# Altium PCB W5100S-PICO-Mining.PcbDoc (part 2 of 2)
Units mm, origin at the board's own origin, x right, y up, seen from the top; angles counter-clockwise.
Board outline 150 x 180 mm, 4 copper layers (Top Layer, Internal Plane 1, Internal Plane 2, Bottom Layer), stack 0.844 mm thick; 222 components, 173 nets, 802 pads, 558 vias.
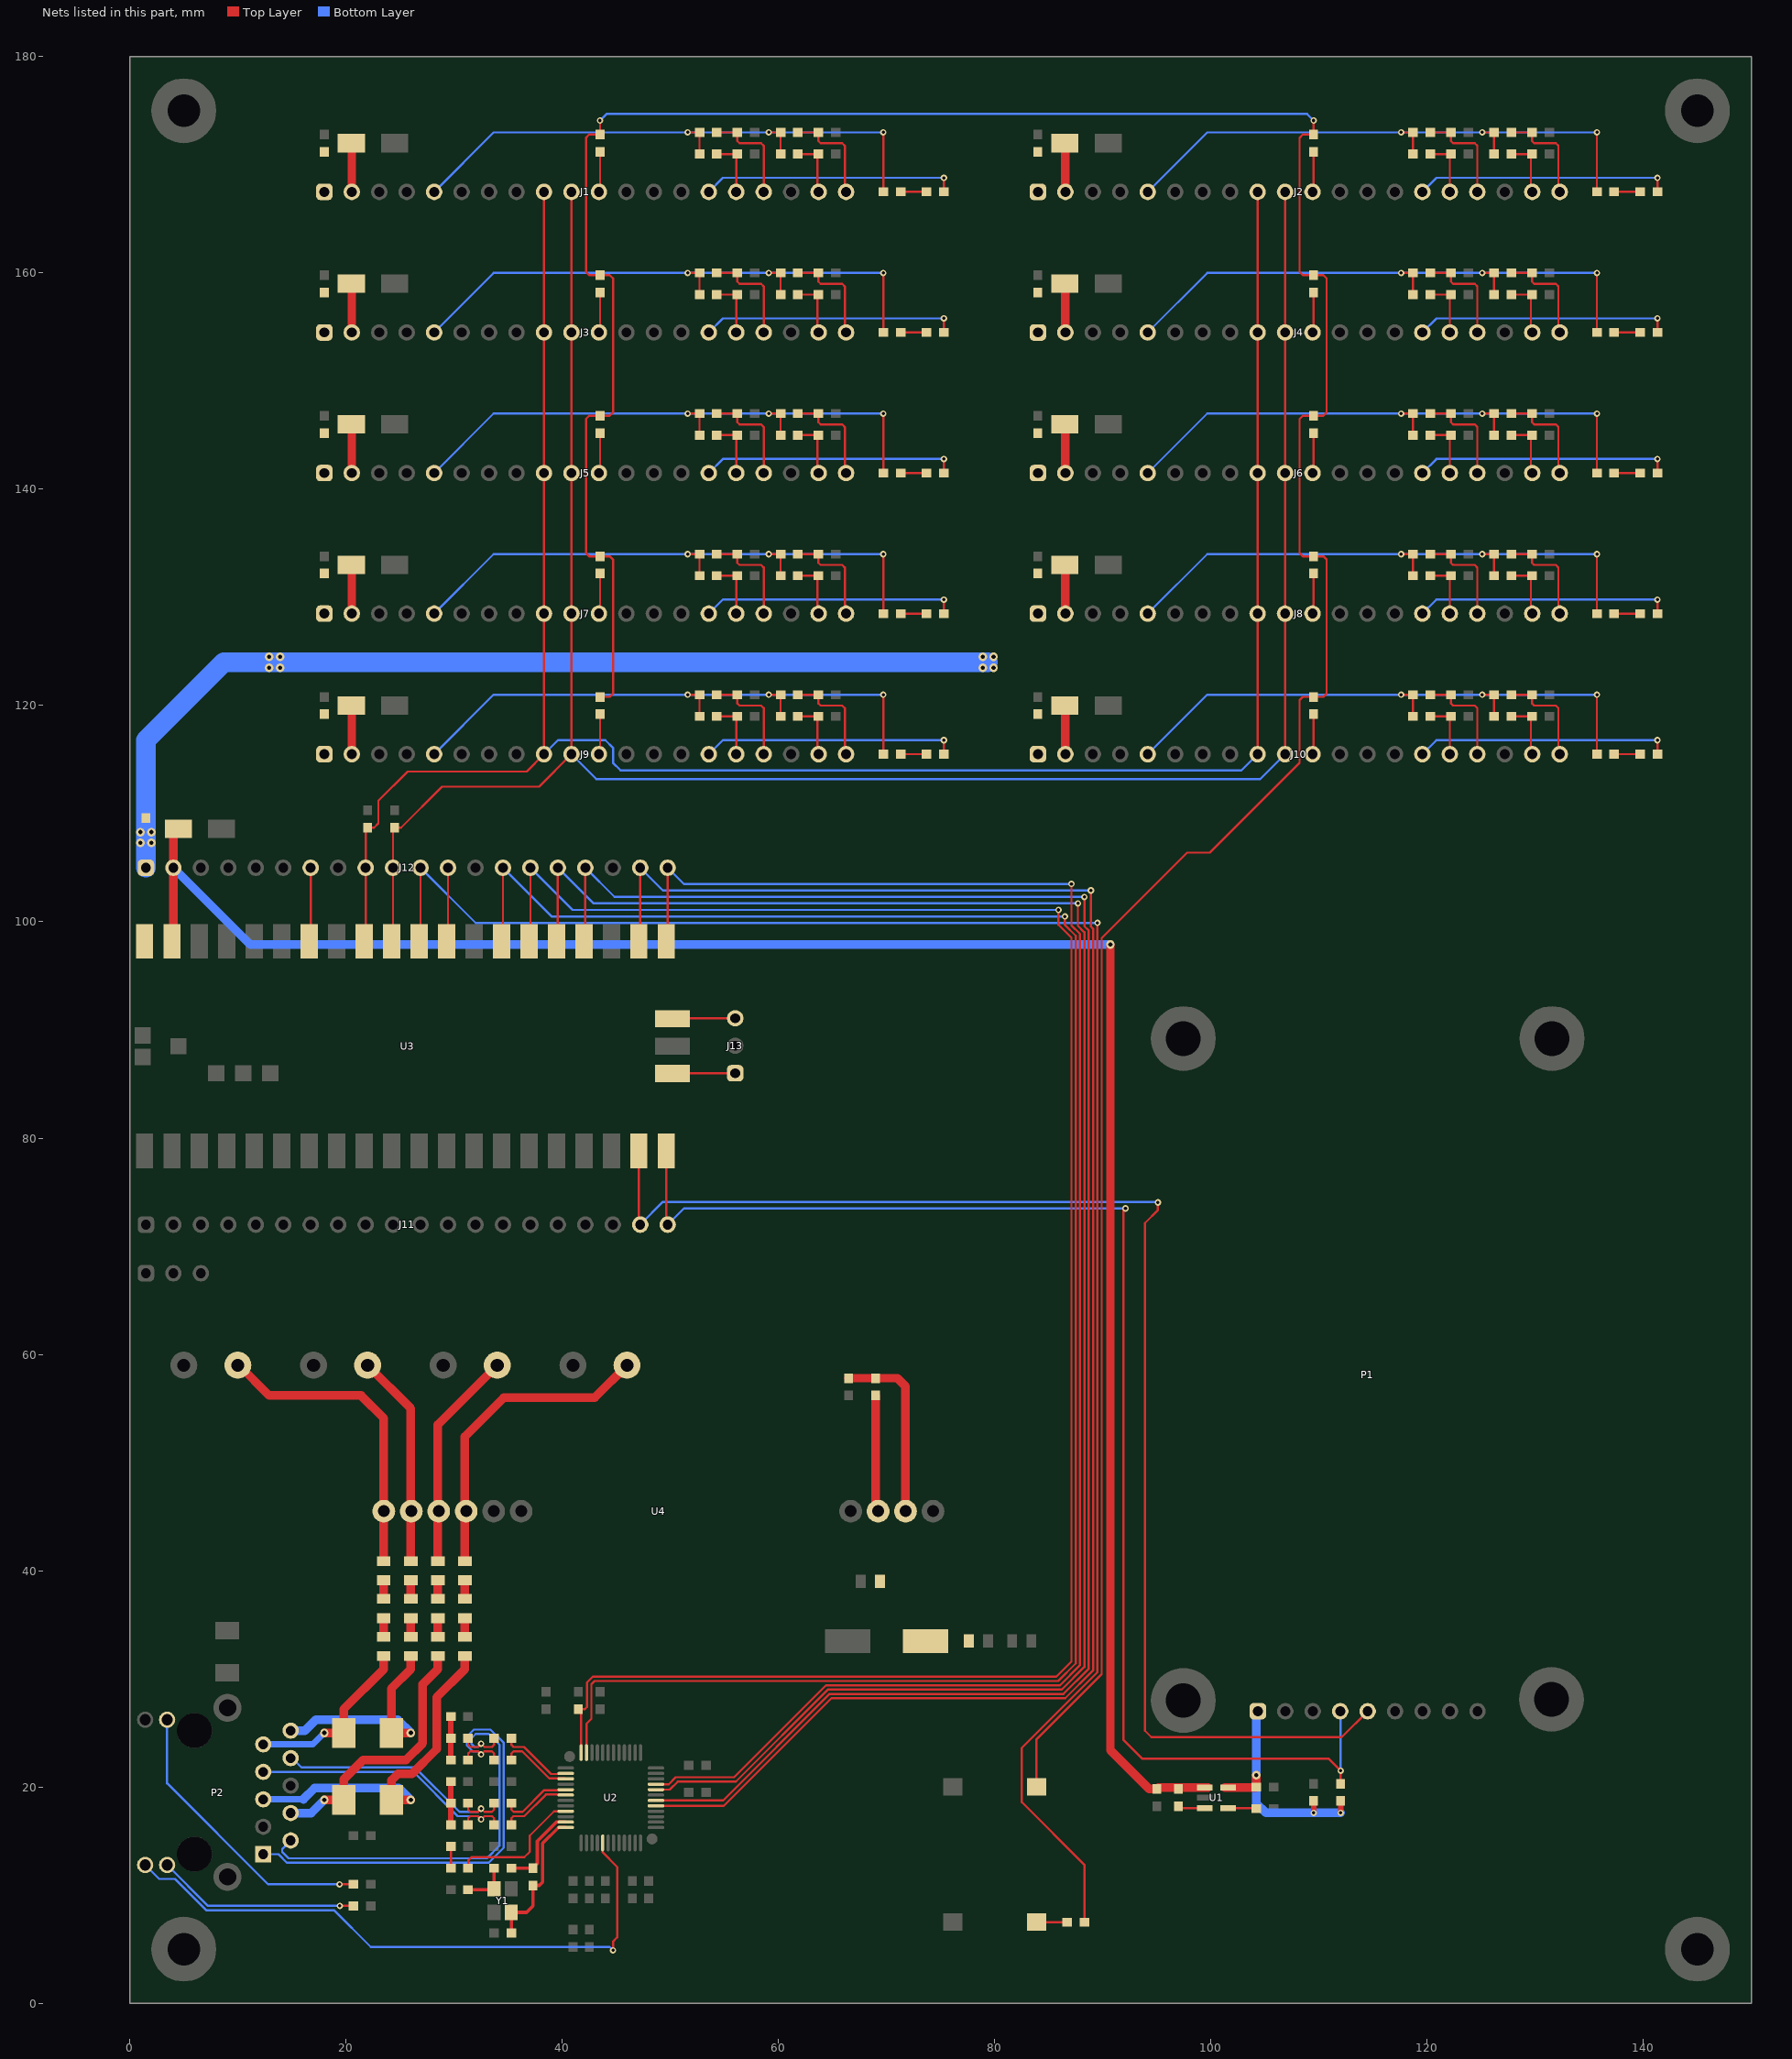
[diagram p4: the nets of this part, all layers, seen from the top]

## Via types
v1: diameter 0.6, hole 0.3, Top Layer to Bottom Layer, tented both sides, 466 vias
v2: diameter 0.8, hole 0.4, Top Layer to Bottom Layer, tented both sides, 92 vias

## Nets (pads, with @x,y where several pads share a name; then routed paths per layer and width w, separated by ;. In a path a pad name is that pad's centre, name@x,y a point inside that pad or via, vN(x,y) a via of type N, cw(c..) or ccw(c..) an arc to the next point about the centre after c; other vN are vias at no path point) (continued)
GPIO14: J11.19 P1.5 U3.19 | length 126.8
  Top Layer w0.2: U3.19@47.09,78.81 47.09,72.13 J11.19@47.22,72 ; v1(95.1,74.051) 95.1,73.337 93.9,72.137 93.9,25.2 94.5,24.6 112.1,24.6 P1.5@114.5,27
  Bottom Layer w0.2: J11.19@47.22,72 49.32,74.1 95.051,74.1 v1(95.1,74.051)
GPIO15: J11.20 P1.4 R92.1 U3.20 | length 127
  Top Layer w0.2: U3.20@49.63,78.81 49.63,72.13 J11.20@49.76,72 ; v1(92.1,73.5) 91.9,73.3 91.9,68.7 91.9,24.372 93.672,22.6 110.9,22.6 v1(112,21.5) R92.1@112,20.3
  Bottom Layer w0.2: J11.20@49.76,72 51.26,73.5 v1(92.1,73.5) ; P1.4@111.96,27 112,26.96 v1(112,21.5)
GPIO16: J12.20 U2.33 U3.21 | length 161.2
  Top Layer w0.2: U2.33@48.675,20.25 49.85,20.25 50.5,20.9 55.903,20.9 64.403,29.4 86.031,29.4 87.9,31.269 87.9,98.869 87.1,99.669 v1(87.1,103.5) ; U3.21@49.63,98.19 49.76,98.32 J12.20@49.76,105
  Bottom Layer w0.2: J12.20@49.76,105 51.26,103.5 v1(87.1,103.5)
GPIO17: J12.19 U2.29 U3.22 | length 167.2
  Top Layer w0.2: U3.22@47.09,98.19 47.22,98.32 J12.19@47.22,105 ; U2.29@48.675,18.25 54.95,18.25 64.9,28.2 86.528,28.2 89.1,30.772 89.1,99.366 88.9,99.566 v1(88.9,102.9)
  Bottom Layer w0.2: J12.19@47.22,105 49.32,102.9 v1(88.9,102.9)
GPIO18: J12.17 U2.30 U3.24 | length 170.7
  Top Layer w0.2: U3.24@42.01,98.19 42.14,98.32 J12.17@42.14,105 ; U2.30@48.675,18.75 54.884,18.75 64.734,28.6 86.363,28.6 88.7,30.937 88.7,99.2 88.3,99.6 v1(88.3,102.3)
  Bottom Layer w0.2: J12.17@42.14,105 44.84,102.3 v1(88.3,102.3)
GPIO19: J12.16 U2.32 U3.25 | length 171.5
  Top Layer w0.2: U3.25@39.47,98.19 39.6,98.32 J12.16@39.6,105 ; U2.32@48.675,19.75 49.95,19.75 50.7,20.5 56.069,20.5 64.569,29 86.197,29 88.3,31.103 88.3,99.034 87.7,99.634 v1(87.7,101.7)
  Bottom Layer w0.2: J12.16@39.6,105 42.9,101.7 v1(87.7,101.7)
GPIO20: J12.15 R114.2 U2.48 U3.26 | length 180.2
  Top Layer w0.2: U3.26@36.93,98.19 37.06,98.32 J12.15@37.06,105 ; U2.48@41.75,23.175 41.75,26.95 R114.2@41.5,27.2 42.1,27.2 42.3,27.4 42.3,29.666 42.834,30.2 85.7,30.2 87.1,31.6 87.1,98.537 85.9,99.737 v1(85.9,101.1)
  Bottom Layer w0.2: J12.15@37.06,105 40.96,101.1 v1(85.9,101.1)
GPIO21: J12.14 U2.47 U3.27 | length 182.3
  Top Layer w0.2: U3.27@34.39,98.19 34.52,98.32 J12.14@34.52,105 ; U2.47@42.25,23.175 42.25,25.85 42.7,26.3 42.7,29.5 43,29.8 85.866,29.8 87.5,31.434 87.5,98.703 86.5,99.703 v1(86.5,100.5)
  Bottom Layer w0.2: J12.14@34.52,105 39.02,100.5 v1(86.5,100.5)
GPIO22: J12.12 U3.29 | length 6.9
  Top Layer w0.2: U3.29@29.31,98.19 29.44,98.32 J12.12@29.44,105
GPIO26/ADC0: J1.10 J2.10 J3.10 J4.10 J5.10 J6.10 J7.10 J8.10 J9.10 J10.10 J12.10 R133.1 U3.31 | length 201.7
  Top Layer w0.2: U3.31@24.23,98.19 24.36,98.32 J12.10@24.36,105 24.36,108.56 R133.1@24.5,108.7 25.1,108.7 28.9,112.5 37.86,112.5 J9.10@40.86,115.5 J7.10@40.86,128.5 J5.10@40.86,141.5 J3.10@40.86,154.5 J1.10@40.86,167.5 ; J10.10@106.86,115.5 J8.10@106.86,128.5 J6.10@106.86,141.5 J4.10@106.86,154.5 J2.10@106.86,167.5
  Bottom Layer w0.2: J9.10@40.86,115.5 43.16,113.2 104.56,113.2 J10.10@106.86,115.5
GPIO27/ADC1: J1.9 J2.9 J3.9 J4.9 J5.9 J6.9 J7.9 J8.9 J9.9 J10.9 J12.9 R132.1 U3.32 | length 204.1
  Top Layer w0.2: U3.32@21.69,98.19 21.82,98.32 J12.9@21.82,105 21.82,108.52 R132.1@22,108.7 22.6,108.7 23,109.1 23,111.2 25.7,113.9 36.72,113.9 J9.9@38.32,115.5 J7.9@38.32,128.5 J5.9@38.32,141.5 J3.9@38.32,154.5 J1.9@38.32,167.5 ; J10.9@104.32,115.5 J8.9@104.32,128.5 J6.9@104.32,141.5 J4.9@104.32,154.5 J2.9@104.32,167.5
  Bottom Layer w0.2: J9.9@38.32,115.5 39.62,116.8 44,116.8 44.7,116.1 44.7,114.7 45.4,114 102.82,114 J10.9@104.32,115.5
GPIO28/ADC2: J12.7 U3.34 | length 6.9
  Top Layer w0.2: U3.34@16.61,98.19 16.74,98.32 J12.7@16.74,105
LCD_3V3: C2.2 P1.1 R91.2 R92.2 U1.5 | length 23
  Top Layer w0.5: v1(109.5,17.6) R91.2@109.5,18.7 ; v1(112,17.6) R92.2@112,18.7
  Top Layer w0.8: U1.5@101.275,19.95 104.15,19.95 C2.2@104.2,20 v2(104.2,21.1)
  Bottom Layer w0.8: P1.1@104.34,27 104.2,26.86 104.2,21.6 104.2,18.5 105.1,17.6 v1(109.5,17.6) v1(112,17.6)
LINKn: P2.P14 U2.17 | length 57.2
  Top Layer w0.2: U2.17@43.75,14.825 43.75,13.95 45.1,12.6 45.1,6.1 44.7,5.7 v1(44.7,4.9)
  Bottom Layer w0.2: P2.P14@1.43,12.785 2.725,11.49 4.19,11.49 7.079,8.6 18.9,8.6 22.3,5.2 44.4,5.2 v1(44.7,4.9)
NetC3_2: C3.2 U1.4 | length 2.6
  Top Layer w0.2: U1.4@101.575,18.05 104.15,18.05 C3.2@104.2,18
NetC5_2: C5.2 R121.1 R122.1 | length 4
  Top Layer w0.5: R121.1@29.7,16.5 R122.1@29.7,18.5 C5.2@29.7,20.5
NetC6_2: C6.2 R123.1 R124.1 | length 4
  Top Layer w0.5: R123.1@29.7,22.5 R124.1@29.7,24.5 C6.2@29.7,26.5
NetC8_1: C8.1 C9.2 L4.1 R129.1 U4.8 | length 10.8
  Top Layer w0.8: R129.1@69,56.2 69,45.72 U4.8@69.22,45.5
NetC11_2: C11.2 L3.2 U4.1 | length 28.7
  Top Layer w0.8: C11.2@10.05,59.05 12.9,56.2 21.4,56.2 23.5,54.1 U4.1@23.5,45.5 L3.2@23.5,40.889
NetC12_2: C12.2 L7.2 U4.2 | length 19.8
  Top Layer w0.8: C12.2@22,59 26,55 26,45.5 L7.2@26,40.889
NetC13_2: C13.2 L10.2 U4.3 | length 20.4
  Top Layer w0.8: L10.2@28.5,40.889 28.5,53.5 C13.2@34,59
NetC14_2: C14.2 L13.2 U4.4 | length 29.2
  Top Layer w0.8: L13.2@31,40.889 31,45.5 31,52.4 34.6,56 43,56 C14.2@46,59
NetC15_2: C15.2 R131.1 Y1.1 | length 4.3
  Top Layer w0.3: C15.2@31.3,10.5 33.6,10.5 Y1.1@33.7,10.6 R131.1@33.7,12.5
NetD1_2: D1.2 J1.2 | length 4.5
  Top Layer w0.8: D1.2@20.5,172 20.54,171.96 J1.2@20.54,167.5
NetD2_2: D2.2 J2.2 | length 4.5
  Top Layer w0.8: D2.2@86.5,172 86.54,171.96 J2.2@86.54,167.5
NetD3_2: D3.2 J3.2 | length 4.5
  Top Layer w0.8: D3.2@20.5,159 20.54,158.96 J3.2@20.54,154.5
NetD4_2: D4.2 J4.2 | length 4.5
  Top Layer w0.8: D4.2@86.5,159 86.54,158.96 J4.2@86.54,154.5
NetD5_2: D5.2 J5.2 | length 4.5
  Top Layer w0.8: D5.2@20.5,146 20.54,145.96 J5.2@20.54,141.5
NetD6_2: D6.2 J6.2 | length 4.5
  Top Layer w0.8: D6.2@86.5,146 86.54,145.96 J6.2@86.54,141.5
NetD7_2: D7.2 J7.2 | length 4.5
  Top Layer w0.8: D7.2@20.5,133 20.54,132.96 J7.2@20.54,128.5
NetD8_2: D8.2 J8.2 | length 4.5
  Top Layer w0.8: D8.2@86.5,133 86.54,132.96 J8.2@86.54,128.5
NetD9_2: D9.2 J9.2 | length 4.5
  Top Layer w0.8: D9.2@20.5,120 20.54,119.96 J9.2@20.54,115.5
NetD10_2: D10.2 J10.2 | length 4.5
  Top Layer w0.8: D10.2@86.5,120 86.54,119.96 J10.2@86.54,115.5
NetJ1_5: J1.5 LD1.1 R10.2 R11.2 R12.2 R13.2 | length 55.5
  Top Layer w0.2: v1(51.6,173) R12.2@52.7,173 R13.2@52.7,171 ; v1(59.1,173) R10.2@60.2,173 R11.2@60.2,171 ; LD1.1@69.7,167.5 v1(69.7,173)
  Bottom Layer w0.2: J1.5@28.16,167.5 33.66,173 v1(51.6,173) v1(69.7,173)
NetJ1_11: J1.11 R5.2 | length 3.7
  Top Layer w0.2: J1.11@43.4,167.5 43.5,167.6 R5.2@43.5,171.2
NetJ1_15: J1.15 R9.2 | length 23.6
  Top Layer w0.2: R9.2@75.3,167.5 v1(75.3,168.8)
  Bottom Layer w0.2: J1.15@53.56,167.5 54.86,168.8 v1(75.3,168.8)
NetJ1_16: J1.16 R13.1 R32.2 | length 5.4
  Top Layer w0.2: R13.1@54.3,171 R32.2@56.2,171 56.1,170.9 J1.16@56.1,167.5
NetJ1_17: J1.17 R12.1 R31.2 | length 9.6
  Top Layer w0.2: R12.1@54.3,173 R31.2@56.2,173 56.2,172.2 56.4,172 58.4,172 58.64,171.76 J1.17@58.64,167.5
NetJ1_19: J1.19 R11.1 R30.2 | length 5.4
  Top Layer w0.2: R11.1@61.8,171 R30.2@63.7,171 63.6,170.9 J1.19@63.6,167.5
NetJ1_20: J1.20 R10.1 R29.2 | length 9.6
  Top Layer w0.2: R10.1@61.8,173 R29.2@63.7,173 63.7,172.2 63.9,172 65.9,172 66.14,171.76 J1.20@66.14,167.5
NetJ2_5: J2.5 LD2.1 R15.2 R16.2 R17.2 R18.2 | length 55.5
  Top Layer w0.2: v1(117.6,173) R17.2@118.7,173 R18.2@118.7,171 ; v1(125.1,173) R15.2@126.2,173 R16.2@126.2,171 ; LD2.1@135.7,167.5 v1(135.7,173)
  Bottom Layer w0.2: J2.5@94.16,167.5 99.66,173 v1(117.6,173) v1(135.7,173)
NetJ2_11: J2.11 R6.2 | length 3.7
  Top Layer w0.2: J2.11@109.4,167.5 109.5,167.6 R6.2@109.5,171.2
NetJ2_15: J2.15 R14.2 | length 23.6
  Top Layer w0.2: R14.2@141.3,167.5 v1(141.3,168.8)
  Bottom Layer w0.2: J2.15@119.56,167.5 120.86,168.8 v1(141.3,168.8)
NetJ2_16: J2.16 R18.1 R36.2 | length 5.4
  Top Layer w0.2: R18.1@120.3,171 R36.2@122.2,171 122.1,170.9 J2.16@122.1,167.5
NetJ2_17: J2.17 R17.1 R35.2 | length 9.6
  Top Layer w0.2: R17.1@120.3,173 R35.2@122.2,173 122.2,172.2 122.4,172 124.4,172 124.64,171.76 J2.17@124.64,167.5
NetJ2_19: J2.19 R16.1 R34.2 | length 5.4
  Top Layer w0.2: R16.1@127.8,171 R34.2@129.7,171 129.6,170.9 J2.19@129.6,167.5
NetJ2_20: J2.20 R15.1 R33.2 | length 9.6
  Top Layer w0.2: R15.1@127.8,173 R33.2@129.7,173 129.7,172.2 129.9,172 131.9,172 132.14,171.76 J2.20@132.14,167.5
NetJ3_5: J3.5 LD3.1 R20.2 R21.2 R22.2 R23.2 | length 55.5
  Top Layer w0.2: v1(51.6,160) R22.2@52.7,160 R23.2@52.7,158 ; v1(59.1,160) R20.2@60.2,160 R21.2@60.2,158 ; LD3.1@69.7,154.5 v1(69.7,160)
  Bottom Layer w0.2: J3.5@28.16,154.5 33.66,160 v1(51.6,160) v1(69.7,160)
NetJ3_11: J3.11 R7.2 | length 3.7
  Top Layer w0.2: J3.11@43.4,154.5 43.5,154.6 R7.2@43.5,158.2
NetJ3_15: J3.15 R19.2 | length 23.6
  Top Layer w0.2: R19.2@75.3,154.5 v1(75.3,155.8)
  Bottom Layer w0.2: J3.15@53.56,154.5 54.86,155.8 v1(75.3,155.8)
NetJ3_16: J3.16 R23.1 R40.2 | length 5.4
  Top Layer w0.2: R23.1@54.3,158 R40.2@56.2,158 56.1,157.9 J3.16@56.1,154.5
NetJ3_17: J3.17 R22.1 R39.2 | length 9.6
  Top Layer w0.2: R22.1@54.3,160 R39.2@56.2,160 56.2,159.2 56.4,159 58.4,159 58.64,158.76 J3.17@58.64,154.5
NetJ3_19: J3.19 R21.1 R38.2 | length 5.4
  Top Layer w0.2: R21.1@61.8,158 R38.2@63.7,158 63.6,157.9 J3.19@63.6,154.5
NetJ3_20: J3.20 R20.1 R37.2 | length 9.6
  Top Layer w0.2: R20.1@61.8,160 R37.2@63.7,160 63.7,159.2 63.9,159 65.9,159 66.14,158.76 J3.20@66.14,154.5
NetJ4_5: J4.5 LD4.1 R25.2 R26.2 R27.2 R28.2 | length 55.5
  Top Layer w0.2: v1(117.6,160) R27.2@118.7,160 R28.2@118.7,158 ; v1(125.1,160) R25.2@126.2,160 R26.2@126.2,158 ; LD4.1@135.7,154.5 v1(135.7,160)
  Bottom Layer w0.2: J4.5@94.16,154.5 99.66,160 v1(117.6,160) v1(135.7,160)
NetJ4_11: J4.11 R8.2 | length 3.7
  Top Layer w0.2: J4.11@109.4,154.5 109.5,154.6 R8.2@109.5,158.2
NetJ4_15: J4.15 R24.2 | length 23.6
  Top Layer w0.2: R24.2@141.3,154.5 v1(141.3,155.8)
  Bottom Layer w0.2: J4.15@119.56,154.5 120.86,155.8 v1(141.3,155.8)
NetJ4_16: J4.16 R28.1 R44.2 | length 5.4
  Top Layer w0.2: R28.1@120.3,158 R44.2@122.2,158 122.1,157.9 J4.16@122.1,154.5
NetJ4_17: J4.17 R27.1 R43.2 | length 9.6
  Top Layer w0.2: R27.1@120.3,160 R43.2@122.2,160 122.2,159.2 122.4,159 124.4,159 124.64,158.76 J4.17@124.64,154.5
NetJ4_19: J4.19 R26.1 R42.2 | length 5.4
  Top Layer w0.2: R26.1@127.8,158 R42.2@129.7,158 129.6,157.9 J4.19@129.6,154.5
NetJ4_20: J4.20 R25.1 R41.2 | length 9.6
  Top Layer w0.2: R25.1@127.8,160 R41.2@129.7,160 129.7,159.2 129.9,159 131.9,159 132.14,158.76 J4.20@132.14,154.5
NetJ5_5: J5.5 LD5.1 R54.2 R55.2 R56.2 R57.2 | length 55.5
  Top Layer w0.2: v1(51.6,147) R56.2@52.7,147 R57.2@52.7,145 ; v1(59.1,147) R54.2@60.2,147 R55.2@60.2,145 ; LD5.1@69.7,141.5 v1(69.7,147)
  Bottom Layer w0.2: J5.5@28.16,141.5 33.66,147 v1(51.6,147) v1(69.7,147)
NetJ5_11: J5.11 R49.2 | length 3.7
  Top Layer w0.2: J5.11@43.4,141.5 43.5,141.6 R49.2@43.5,145.2
NetJ5_15: J5.15 R53.2 | length 23.6
  Top Layer w0.2: R53.2@75.3,141.5 v1(75.3,142.8)
  Bottom Layer w0.2: J5.15@53.56,141.5 54.86,142.8 v1(75.3,142.8)
NetJ5_16: J5.16 R57.1 R76.2 | length 5.4
  Top Layer w0.2: R57.1@54.3,145 R76.2@56.2,145 56.1,144.9 J5.16@56.1,141.5
NetJ5_17: J5.17 R56.1 R75.2 | length 9.6
  Top Layer w0.2: R56.1@54.3,147 R75.2@56.2,147 56.2,146.2 56.4,146 58.4,146 58.64,145.76 J5.17@58.64,141.5
NetJ5_19: J5.19 R55.1 R74.2 | length 5.4
  Top Layer w0.2: R55.1@61.8,145 R74.2@63.7,145 63.6,144.9 J5.19@63.6,141.5
NetJ5_20: J5.20 R54.1 R73.2 | length 9.6
  Top Layer w0.2: R54.1@61.8,147 R73.2@63.7,147 63.7,146.2 63.9,146 65.9,146 66.14,145.76 J5.20@66.14,141.5
NetJ6_5: J6.5 LD6.1 R59.2 R60.2 R61.2 R62.2 | length 55.5
  Top Layer w0.2: v1(117.6,147) R61.2@118.7,147 R62.2@118.7,145 ; v1(125.1,147) R59.2@126.2,147 R60.2@126.2,145 ; LD6.1@135.7,141.5 v1(135.7,147)
  Bottom Layer w0.2: J6.5@94.16,141.5 99.66,147 v1(117.6,147) v1(135.7,147)
NetJ6_11: J6.11 R50.2 | length 3.7
  Top Layer w0.2: J6.11@109.4,141.5 109.5,141.6 R50.2@109.5,145.2
NetJ6_15: J6.15 R58.2 | length 23.6
  Top Layer w0.2: R58.2@141.3,141.5 v1(141.3,142.8)
  Bottom Layer w0.2: J6.15@119.56,141.5 120.86,142.8 v1(141.3,142.8)
NetJ6_16: J6.16 R62.1 R80.2 | length 5.4
  Top Layer w0.2: R62.1@120.3,145 R80.2@122.2,145 122.1,144.9 J6.16@122.1,141.5
NetJ6_17: J6.17 R61.1 R79.2 | length 9.6
  Top Layer w0.2: R61.1@120.3,147 R79.2@122.2,147 122.2,146.2 122.4,146 124.4,146 124.64,145.76 J6.17@124.64,141.5
NetJ6_19: J6.19 R60.1 R78.2 | length 5.4
  Top Layer w0.2: R60.1@127.8,145 R78.2@129.7,145 129.6,144.9 J6.19@129.6,141.5
NetJ6_20: J6.20 R59.1 R77.2 | length 9.6
  Top Layer w0.2: R59.1@127.8,147 R77.2@129.7,147 129.7,146.2 129.9,146 131.9,146 132.14,145.76 J6.20@132.14,141.5
NetJ7_5: J7.5 LD7.1 R64.2 R65.2 R66.2 R67.2 | length 55.5
  Top Layer w0.2: v1(51.6,134) R66.2@52.7,134 R67.2@52.7,132 ; v1(59.1,134) R64.2@60.2,134 R65.2@60.2,132 ; LD7.1@69.7,128.5 v1(69.7,134)
  Bottom Layer w0.2: J7.5@28.16,128.5 33.66,134 v1(51.6,134) v1(69.7,134)
NetJ7_11: J7.11 R51.2 | length 3.7
  Top Layer w0.2: J7.11@43.4,128.5 43.5,128.6 R51.2@43.5,132.2
NetJ7_15: J7.15 R63.2 | length 23.6
  Top Layer w0.2: R63.2@75.3,128.5 v1(75.3,129.8)
  Bottom Layer w0.2: J7.15@53.56,128.5 54.86,129.8 v1(75.3,129.8)
NetJ7_16: J7.16 R67.1 R84.2 | length 5.4
  Top Layer w0.2: R67.1@54.3,132 R84.2@56.2,132 56.1,131.9 J7.16@56.1,128.5
NetJ7_17: J7.17 R66.1 R83.2 | length 9.6
  Top Layer w0.2: R66.1@54.3,134 R83.2@56.2,134 56.2,133.2 56.4,133 58.4,133 58.64,132.76 J7.17@58.64,128.5
NetJ7_19: J7.19 R65.1 R82.2 | length 5.4
  Top Layer w0.2: R65.1@61.8,132 R82.2@63.7,132 63.6,131.9 J7.19@63.6,128.5
NetJ7_20: J7.20 R64.1 R81.2 | length 9.6
  Top Layer w0.2: R64.1@61.8,134 R81.2@63.7,134 63.7,133.2 63.9,133 65.9,133 66.14,132.76 J7.20@66.14,128.5
NetJ8_5: J8.5 LD8.1 R69.2 R70.2 R71.2 R72.2 | length 55.5
  Top Layer w0.2: v1(117.6,134) R71.2@118.7,134 R72.2@118.7,132 ; v1(125.1,134) R69.2@126.2,134 R70.2@126.2,132 ; LD8.1@135.7,128.5 v1(135.7,134)
  Bottom Layer w0.2: J8.5@94.16,128.5 99.66,134 v1(117.6,134) v1(135.7,134)
NetJ8_11: J8.11 R52.2 | length 3.7
  Top Layer w0.2: J8.11@109.4,128.5 109.5,128.6 R52.2@109.5,132.2
NetJ8_15: J8.15 R68.2 | length 23.6
  Top Layer w0.2: R68.2@141.3,128.5 v1(141.3,129.8)
  Bottom Layer w0.2: J8.15@119.56,128.5 120.86,129.8 v1(141.3,129.8)
NetJ8_16: J8.16 R72.1 R88.2 | length 5.4
  Top Layer w0.2: R72.1@120.3,132 R88.2@122.2,132 122.1,131.9 J8.16@122.1,128.5
NetJ8_17: J8.17 R71.1 R87.2 | length 9.6
  Top Layer w0.2: R71.1@120.3,134 R87.2@122.2,134 122.2,133.2 122.4,133 124.4,133 124.64,132.76 J8.17@124.64,128.5
NetJ8_19: J8.19 R70.1 R86.2 | length 5.4
  Top Layer w0.2: R70.1@127.8,132 R86.2@129.7,132 129.6,131.9 J8.19@129.6,128.5
NetJ8_20: J8.20 R69.1 R85.2 | length 9.6
  Top Layer w0.2: R69.1@127.8,134 R85.2@129.7,134 129.7,133.2 129.9,133 131.9,133 132.14,132.76 J8.20@132.14,128.5
NetJ9_5: J9.5 LD9.1 R97.2 R98.2 R99.2 R100.2 | length 55.5
  Top Layer w0.2: v1(51.6,121) R99.2@52.7,121 R100.2@52.7,119 ; v1(59.1,121) R97.2@60.2,121 R98.2@60.2,119 ; LD9.1@69.7,115.5 v1(69.7,121)
  Bottom Layer w0.2: J9.5@28.16,115.5 33.66,121 v1(51.6,121) v1(69.7,121)
NetJ9_11: J9.11 R94.2 | length 3.7
  Top Layer w0.2: J9.11@43.4,115.5 43.5,115.6 R94.2@43.5,119.2
NetJ9_15: J9.15 R96.2 | length 23.6
  Top Layer w0.2: R96.2@75.3,115.5 v1(75.3,116.8)
  Bottom Layer w0.2: J9.15@53.56,115.5 54.86,116.8 v1(75.3,116.8)
NetJ9_16: J9.16 R100.1 R109.2 | length 5.4
  Top Layer w0.2: R100.1@54.3,119 R109.2@56.2,119 56.1,118.9 J9.16@56.1,115.5
NetJ9_17: J9.17 R99.1 R108.2 | length 9.6
  Top Layer w0.2: R99.1@54.3,121 R108.2@56.2,121 56.2,120.2 56.4,120 58.4,120 58.64,119.76 J9.17@58.64,115.5
NetJ9_19: J9.19 R98.1 R107.2 | length 5.4
  Top Layer w0.2: R98.1@61.8,119 R107.2@63.7,119 63.6,118.9 J9.19@63.6,115.5
NetJ9_20: J9.20 R97.1 R106.2 | length 9.6
  Top Layer w0.2: R97.1@61.8,121 R106.2@63.7,121 63.7,120.2 63.9,120 65.9,120 66.14,119.76 J9.20@66.14,115.5
NetJ10_5: J10.5 LD10.1 R102.2 R103.2 R104.2 R105.2 | length 55.5
  Top Layer w0.2: v1(117.6,121) R104.2@118.7,121 R105.2@118.7,119 ; v1(125.1,121) R102.2@126.2,121 R103.2@126.2,119 ; LD10.1@135.7,115.5 v1(135.7,121)
  Bottom Layer w0.2: J10.5@94.16,115.5 99.66,121 v1(117.6,121) v1(135.7,121)
NetJ10_11: J10.11 R95.2 | length 3.7
  Top Layer w0.2: J10.11@109.4,115.5 109.5,115.6 R95.2@109.5,119.2
NetJ10_15: J10.15 R101.2 | length 23.6
  Top Layer w0.2: R101.2@141.3,115.5 v1(141.3,116.8)
  Bottom Layer w0.2: J10.15@119.56,115.5 120.86,116.8 v1(141.3,116.8)
NetJ10_16: J10.16 R105.1 R113.2 | length 5.4
  Top Layer w0.2: R105.1@120.3,119 R113.2@122.2,119 122.1,118.9 J10.16@122.1,115.5
NetJ10_17: J10.17 R104.1 R112.2 | length 9.6
  Top Layer w0.2: R104.1@120.3,121 R112.2@122.2,121 122.2,120.2 122.4,120 124.4,120 124.64,119.76 J10.17@124.64,115.5
NetJ10_19: J10.19 R103.1 R111.2 | length 5.4
  Top Layer w0.2: R103.1@127.8,119 R111.2@129.7,119 129.6,118.9 J10.19@129.6,115.5
NetJ10_20: J10.20 R102.1 R110.2 | length 9.6
  Top Layer w0.2: R102.1@127.8,121 R110.2@129.7,121 129.7,120.2 129.9,120 131.9,120 132.14,119.76 J10.20@132.14,115.5
NetL1_2: L1.2 L2.1 | length 1.7
  Top Layer w0.8: L1.2@23.5,33.889 L2.1@23.5,35.611
NetL2_2: L2.2 L3.1 | length 1.7
  Top Layer w0.8: L2.2@23.5,37.389 L3.1@23.5,39.111
NetL5_2: L5.2 L6.1 | length 1.7
  Top Layer w0.8: L5.2@26,33.889 L6.1@26,35.611
NetL6_2: L6.2 L7.1 | length 1.7
  Top Layer w0.8: L6.2@26,37.389 L7.1@26,39.111
NetL8_2: L8.2 L9.1 | length 1.7
  Top Layer w0.8: L8.2@28.5,33.889 L9.1@28.5,35.611
NetL9_2: L9.2 L10.1 | length 1.7
  Top Layer w0.8: L9.2@28.5,37.389 L10.1@28.5,39.111
NetL11_2: L11.2 L12.1 | length 1.7
  Top Layer w0.8: L11.2@31,33.889 L12.1@31,35.611
NetL12_2: L12.2 L13.1 | length 1.7
  Top Layer w0.8: L12.2@31,37.389 L13.1@31,39.111
NetLD1_2: LD1.2 R9.1 | length 2.4
  Top Layer w0.2: LD1.2@71.3,167.5 R9.1@73.7,167.5
NetLD2_2: LD2.2 R14.1 | length 2.4
  Top Layer w0.2: LD2.2@137.3,167.5 R14.1@139.7,167.5
NetLD3_2: LD3.2 R19.1 | length 2.4
  Top Layer w0.2: LD3.2@71.3,154.5 R19.1@73.7,154.5
NetLD4_2: LD4.2 R24.1 | length 2.4
  Top Layer w0.2: LD4.2@137.3,154.5 R24.1@139.7,154.5
NetLD5_2: LD5.2 R53.1 | length 2.4
  Top Layer w0.2: LD5.2@71.3,141.5 R53.1@73.7,141.5
NetLD6_2: LD6.2 R58.1 | length 2.4
  Top Layer w0.2: LD6.2@137.3,141.5 R58.1@139.7,141.5
NetLD7_2: LD7.2 R63.1 | length 2.4
  Top Layer w0.2: LD7.2@71.3,128.5 R63.1@73.7,128.5
NetLD8_2: LD8.2 R68.1 | length 2.4
  Top Layer w0.2: LD8.2@137.3,128.5 R68.1@139.7,128.5
NetLD9_2: LD9.2 R96.1 | length 2.4
  Top Layer w0.2: LD9.2@71.3,115.5 R96.1@73.7,115.5
NetLD10_2: LD10.2 R101.1 | length 2.4
  Top Layer w0.2: LD10.2@137.3,115.5 R101.1@139.7,115.5
NetP2_P11: P2.P11 R120.1 | length 27
  Top Layer w0.2: v1(19.403,11) R120.1@20.7,11
  Bottom Layer w0.2: P2.P11@3.46,26.215 3.46,20.34 12.8,11 v1(19.403,11)
NetP2_P13: P2.P13 R117.2 | length 18.8
  Top Layer w0.2: v1(19.427,9) R117.2@20.7,9
  Bottom Layer w0.2: P2.P13@3.46,12.785 7.245,9 v1(19.427,9)
NetR93_2: R93.2 U1.3 | length 2.5
  Top Layer w0.2: R93.2@97,18.2 97.15,18.05 U1.3@99.425,18.05
NetR115_2: R115.2 U2.2 | length 6.8
  Top Layer w0.2: R115.2@35.3,24.5 35.3,23.9 35.5,23.7 36.466,23.7 38.966,21.2 40.275,21.2 U2.2@40.325,21.25
NetR116_2: R116.2 U2.3 | length 6.8
  Top Layer w0.2: R116.2@35.3,22.5 35.3,23.1 35.5,23.3 36.3,23.3 38.8,20.8 40.275,20.8 U2.3@40.325,20.75
NetR118_2: R118.2 U2.5 | length 6.6
  Top Layer w0.2: R118.2@35.3,18.5 35.3,17.9 35.5,17.7 36.334,17.7 38.334,19.7 40.275,19.7 U2.5@40.325,19.75
NetR119_2: R119.2 U2.6 | length 6.6
  Top Layer w0.2: R119.2@35.3,16.5 35.3,17.1 35.5,17.3 36.5,17.3 38.5,19.3 40.275,19.3 U2.6@40.325,19.25
NetR125_1: R125.1 U2.9 | length 12.5
  Top Layer w0.2: R125.1@31.3,12.5 31.3,13.2 31.6,13.5 36.5,13.5 37,14 37,15.5 39.25,17.75 U2.9@40.325,17.75
NetR125_2: R125.2 R126.1 | length 2
  Top Layer w0.2: R125.2@29.7,12.5 R126.1@29.7,14.5
NetR128_1: R128.1 R129.2 U4.9 | length 17.1
  Top Layer w0.8: R128.1@66.5,57.8 R129.2@69,57.8 71,57.8 71.76,57.04 U4.9@71.76,45.5
NetR134_1: R134.1 SW2.1 | length 2.8
  Top Layer w0.2: SW2.1@83.875,7.5 R134.1@86.7,7.5
RST: R5.1 R6.1 R7.1 R8.1 R49.1 R50.1 R51.1 R52.1 R94.1 R95.1 SW1.1 | length 303.5
  Top Layer w0.2: R94.1@43.5,120.8 44.4,120.8 44.7,121.1 44.7,133.5 44.4,133.8 R51.1@43.5,133.8 42.5,133.8 42.2,134.1 42.2,146.5 42.5,146.8 R49.1@43.5,146.8 44.4,146.8 44.7,147.1 44.7,159.5 44.4,159.8 R7.1@43.5,159.8 42.5,159.8 42.2,160.1 42.2,172.5 42.5,172.8 R5.1@43.5,172.8 v1(43.5,174.1) ; SW1.1@83.875,20 83.875,24.415 89.9,30.44 89.9,30.5 89.9,32.3 89.9,98.5 97.8,106.4 99.9,106.4 108.2,114.7 108.2,120.5 108.5,120.8 R95.1@109.5,120.8 110.4,120.8 110.7,121.1 110.7,133.5 110.4,133.8 108.5,133.8 108.2,134.1 108.2,146.5 108.5,146.8 110.4,146.8 110.7,147.1 110.7,159.5 110.4,159.8 R8.1@109.5,159.8 108.5,159.8 108.2,160.1 108.2,172.5 108.5,172.8 R6.1@109.5,172.8 v1(109.5,174.1)
  Bottom Layer w0.2: v1(43.5,174.1) 44.1,174.7 108.9,174.7 v1(109.5,174.1)
RUN: J12.11 R134.2 U3.30 | length 169.3
  Top Layer w0.2: U3.30@26.77,98.19 26.9,98.32 J12.11@26.9,105 ; R134.2@88.3,7.5 88.3,12.8 82.5,18.6 82.5,23.606 89.5,30.606 89.5,30.7 89.5,31.7 v1(89.5,99.9)
  Bottom Layer w0.2: J12.11@26.9,105 32,99.9 v1(89.5,99.9)
RX_N: P2.P8 R118.1 R122.2 | length 23.8
  Top Layer w0.2: R122.2@31.3,18.5 31.3,17.9 31.5,17.7 32.2,17.7 v1(32.5,18) 32.8,17.7 33.5,17.7 33.7,17.9 R118.1@33.7,18.5
  Bottom Layer w0.2: P2.P8@14.89,22.67 15.03,22.67 15.9,21.8 26.4,21.8 30.5,17.7 32.2,17.7 v1(32.5,18)
RX_P: P2.P7 R119.1 R121.2 | length 26
  Top Layer w0.2: R121.2@31.3,16.5 31.3,17.1 31.5,17.3 32.2,17.3 v1(32.5,17) 32.8,17.3 33.5,17.3 33.7,17.1 R119.1@33.7,16.5
  Bottom Layer w0.2: P2.P7@12.35,21.4 15.734,21.4 26.234,21.4 30.334,17.3 32.2,17.3 v1(32.5,17)
SWCLK: J13.1 U3.D1 | length 5.8
  Top Layer w0.2: U3.D1@50.2,85.96 50.24,86 J13.1@56,86
SWDIO: J13.3 U3.D3 | length 5.8
  Top Layer w0.2: U3.D3@50.2,91.04 50.24,91.08 J13.3@56,91.08
TX_N: P2.P2 R115.1 R124.2 | length 40.4
  Top Layer w0.2: R124.2@31.3,24.5 31.3,23.9 31.5,23.7 32.2,23.7 v1(32.5,24) 32.8,23.7 33.5,23.7 33.7,23.9 R115.1@33.7,24.5
  Bottom Layer w0.2: P2.P2@14.89,15.05 14.1,14.26 14.1,14 14.7,13.4 33.034,13.4 34.2,14.566 34.2,23.9 33.2,24.9 32,24.9 31.6,24.5 31.6,24 31.9,23.7 32.2,23.7 v1(32.5,24)
TX_P: P2.P1 R116.1 R123.2 | length 43.5
  Top Layer w0.2: R123.2@31.3,22.5 31.3,23.1 31.5,23.3 32.2,23.3 v1(32.5,23) 32.8,23.3 33.5,23.3 33.7,23.1 R116.1@33.7,22.5
  Bottom Layer w0.2: P2.P1@12.35,13.78 13.754,13.78 14.534,13 33.2,13 34.6,14.4 34.6,24.066 33.366,25.3 31.834,25.3 31.2,24.666 31.2,23.834 31.734,23.3 32.2,23.3 v1(32.5,23)
VBUS: J1.1 J2.1 J3.1 J4.1 J5.1 J6.1 J7.1 J8.1 J9.1 J10.1 J12.1 R1.2 R2.2 R3.2 R4.2 R45.2 R46.2 R47.2 R48.2 R89.2 R90.2 R130.2 U3.40 | length 92.7
  Bottom Layer w1.8: J12.1@1.5,105 1.5,108.3 1.5,116.8 8.7,124 15,124 79.4,124
  other v2: 1,107.3 2,107.3 1,108.3 2,108.3 12.9,123.5 13.9,123.5 78.9,123.5 79.9,123.5 12.9,124.5 13.9,124.5 78.9,124.5 79.9,124.5
VIN1+: D12.2 L1.1 P2.P9 | length 16.5
  Top Layer w0.8: v2(18,25) D12.2@19.79,25 19.79,27.19 23.5,30.9 L1.1@23.5,32.111
  Bottom Layer w0.6: P2.P9@12.35,23.94 16.94,23.94 v2(18,25)
VIN1-: D12.1 L5.1 P2.P10 | length 21.7
  Top Layer w0.8: v2(26,25) D12.1@24.21,25 24.21,29.11 26,30.9 L5.1@26,32.111
  Bottom Layer w0.8: P2.P10@14.89,25.21 16.21,25.21 17.2,26.2 24.8,26.2 v2(26,25)
VIN2+: D11.2 L8.1 P2.P4 | length 24.6
  Top Layer w0.8: v2(18,18.8) D11.2@19.79,18.8 19.79,20.69 21.6,22.5 25.562,22.5 27.1,24.038 27.1,29.5 28.5,30.9 L8.1@28.5,32.111
  Bottom Layer w0.8: P2.P4@14.89,17.59 16.79,17.59 v2(18,18.8)
VIN2-: D11.1 L11.1 P2.P5 | length 33.2
  Top Layer w0.8: v2(26,18.8) D11.1@24.21,18.8 24.21,20.61 24.8,21.2 26.1,21.2 28.4,23.5 28.4,28.3 31,30.9 L11.1@31,32.111
  Bottom Layer w0.6: P2.P5@12.35,18.86 16.06,18.86
  Bottom Layer w0.8: 16.06,18.86 17.1,19.9 24.9,19.9 v2(26,18.8)
VSYS: C1.2 D13.2 J12.2 R93.1 U1.1 U3.39 | length 185.3
  Top Layer w0.8: U3.39@3.91,98.19 4.04,98.32 J12.2@4.04,105 4.04,108.14 D13.2@4.5,108.6 ; v2(90.7,97.9) 90.7,23.4 94.3,19.8 C1.2@95,19.8 95.15,19.95 U1.1@99.425,19.95 U1.1@99.725,19.95
  Bottom Layer w0.8: J12.2@4.04,105 11.14,97.9 v2(90.7,97.9)
XSCI: C16.2 R127.1 U2.12 Y1.3 | length 13.4
  Top Layer w0.3: C16.2@35.3,6.5 Y1.3@35.3,8.4 36.7,8.4 37.3,9 R127.1@37.3,10.9 37.9,10.9 38.2,11.2 38.2,14.793 39.657,16.25 U2.12@40.325,16.25
XSCO: R127.2 R131.2 U2.11 | length 8
  Top Layer w0.3: R131.2@35.3,12.5 R127.2@37.3,12.5 37.7,12.9 37.7,15 39.45,16.75 U2.11@40.325,16.75
pads on no net: J1.4 J1.6 J1.7 J1.12 J1.14 J2.4 J2.6 J2.7 J2.12 J2.14 J3.4 J3.6 J3.7 J3.12 J3.14 J4.4 J4.6 J4.7 J4.12 J4.14 J5.4 J5.6 J5.7 J5.12 J5.14 J6.4 J6.6 J6.7 J6.12 J6.14 J7.4 J7.6 J7.7 J7.12 J7.14 J8.4 J8.6 J8.7 J8.12 J8.14 J9.4 J9.6 J9.7 J9.12 J9.14 J10.4 J10.6 J10.7 J10.12 J10.14 P1.0 P2. U2.0 U2.18 U2.19 U2.21 U2.34 U2.35 U2.37 U2.38 U2.39 U2.40 U2.41 U2.42 U2.43 U2.44 U3.TP2 U3.TP3 U3.TP4 U3.TP5 U3.TP6 U4.5 U4.6 U4.10

## Polygon pours and split planes (outlines as drawn)
GND on Bottom Layer "NONET_L-01_P-001" (solid, remove dead copper, pour order 0): 0,11 17.5,11 17.5,28 0,28 0,180 150,180 150,0 0,0
GND on Top Layer "NONET_L-01_P-001" (solid, remove dead copper, pour order 1): 0,11 17.5,11 17.5,28 0,28 0,180 150,180 150,0 0,0
3V3 on Internal Plane 2 (split plane): 57.998,0.51 0.51,0.51 0.51,11 17.5,11 17.5,12.643 17.854,12.998 32.998,12.998 32.998,6 33.006,5.935 33.032,5.874 33.072,5.822 33.124,5.782 33.185,5.756 33.25,5.748 46.75,5.748 46.815,5.756 46.876,5.782 46.928,5.822 48.678,7.572 48.718,7.624 48.744,7.685 48.752,7.75 48.752,11.396 51.678,14.322 51.718,14.374 51.744,14.435 51.752,14.5 51.752,22 51.744,22.065 51.718,22.126 51.696,22.156 51.678,22.178 46.178,27.678 46.126,27.718 46.065,27.744 46,27.752 17.5,27.752 17.5,28 0.51,28 0.51,102.998 7.5,102.998 7.565,103.006 7.626,103.032 7.678,103.072 16.354,111.748 57.998,111.748
5V on Internal Plane 2 (split plane): 149.49,0.51 58.502,0.51 58.502,34.5 63.7,34.5 63.7,54.5 58.502,54.5 58.502,112 58.494,112.065 58.468,112.126 58.428,112.178 58.376,112.218 58.315,112.244 58.25,112.252 16.25,112.252 16.185,112.244 16.124,112.218 16.072,112.178 7.396,103.502 0.51,103.502 0.51,179.49 149.49,179.49
1V2D on Internal Plane 2 (split plane): 51.248,21.896 51.248,14.604 48.322,11.678 48.282,11.626 48.256,11.565 48.248,11.5 48.248,7.854 46.646,6.252 33.502,6.252 33.502,7.7 35.9,7.7 35.9,11.3 33.502,11.3 33.502,12.998 41.396,12.998 43.072,11.322 43.124,11.282 43.185,11.256 43.25,11.248 44.25,11.248 44.315,11.256 44.376,11.282 44.428,11.322 45.178,12.072 45.218,12.124 45.244,12.185 45.252,12.25 45.252,21 45.244,21.065 45.218,21.126 45.178,21.178 41.252,25.104 41.252,27.248 45.896,27.248
3V3A on Internal Plane 2 (split plane): 40.748,25 40.756,24.935 40.782,24.874 40.822,24.822 44.748,20.896 44.748,12.354 44.146,11.752 43.354,11.752 41.678,13.428 41.626,13.468 41.565,13.494 41.5,13.502 17.75,13.502 17.685,13.494 17.624,13.468 17.572,13.428 17.5,13.357 17.5,27.248 40.748,27.248
GND on Internal Plane 1 (split plane): 149.49,0.51 0.51,0.51 0.51,11 17.5,11 17.5,28 0.51,28 0.51,179.49 149.49,179.49

## Keep-outs
Keep-Out Layer:
  the board outline again, w0.2
  text ".Layer_Name" at 9.398,185 h1.52

## Other copper
Top Layer:
  pour cut-out: 84.3,32.424 84.624,32.1 86.2,32.1 86.5,32.4 86.5,32.1 86.3,31.9 84.5,31.9 84.3,32.1
  pour cut-out: 67.5,46.7 67.5,36.7 67.8,36.4 67.8,30.7 71.5,30.7 71.5,46.7
  region net VBUS: 81.6,131 81.6,120.2 82.1,119.7 84.5,119.7 84.5,114.7 83.2,114.7 83.2,118.4 81.4,118.4 80.3,119.5 80.3,131
  region net VBUS: 82.1,131.4 81.6,130.9 80.3,130.9 80.3,131.4 80.3,144 81.6,144 81.6,133.2 82.1,132.7 84.5,132.7 84.5,127.7 83.2,127.7 83.2,131.4
  region net VBUS: 82.1,144.4 81.6,143.9 80.3,143.9 80.3,144.4 80.3,157 81.6,157 81.6,146.2 82.1,145.7 84.5,145.7 84.5,140.7 83.2,140.7 83.2,144.4
  region net VBUS: 82.1,157.4 81.6,156.9 80.3,156.9 80.3,157.4 80.3,170 81.6,170 81.6,159.2 82.1,158.7 84.5,158.7 84.5,153.7 83.2,153.7 83.2,157.4
  region net VBUS: 80.3,170.5 81.5,171.7 84.5,171.7 84.5,166.7 83.2,166.7 83.2,170.4 82.1,170.4 81.6,169.9 80.3,169.9
  region net VBUS: 80.4,125.3 80.3,125.3 79.9,124.9 78.9,124.9 78.5,124.5 78.5,123.5 78.9,123.1 79.9,123.1 80.3,122.7 80.4,122.7
  region net VBUS: 14.4,125.3 14.3,125.3 13.9,124.9 12.9,124.9 12.5,124.5 12.5,123.5 12.9,123.1 13.9,123.1 14.3,122.7 14.4,122.7
  region net VBUS: 14.3,170.5 15.5,171.7 18.5,171.7 18.5,166.7 17.2,166.7 17.2,170.4 16.1,170.4 15.6,169.9 14.3,169.9
  region net VBUS: 16.1,157.4 15.6,156.9 14.3,156.9 14.3,157.4 14.3,170 15.6,170 15.6,159.2 16.1,158.7 18.5,158.7 18.5,153.7 17.2,153.7 17.2,157.4
  region net VBUS: 16.1,144.4 15.6,143.9 14.3,143.9 14.3,144.4 14.3,157 15.6,157 15.6,146.2 16.1,145.7 18.5,145.7 18.5,140.7 17.2,140.7 17.2,144.4
  region net VBUS: 16.1,131.4 15.6,130.9 14.3,130.9 14.3,131.4 14.3,144 15.6,144 15.6,133.2 16.1,132.7 18.5,132.7 18.5,127.7 17.2,127.7 17.2,131.4
  region net VBUS: 15.6,131 15.6,120.2 16.1,119.7 18.5,119.7 18.5,114.7 17.2,114.7 17.2,118.4 15.4,118.4 14.3,119.5 14.3,131
  region net 5V: 1,110.7 0.6,111.1 0.6,112.1 1,112.5 4.5,112.5 4.9,112.1 4.9,111.1 4.5,110.7
  region net VBUS: 0.6,96.6 0.6,109.7 1,110.1 2,110.1 2.4,109.7 2.4,96.8 2.2,96.6
  pour cut-out: 74.3,40.6 73,40.6 73,46.3 63.7,46.3 63.7,58.4 65.1,59.8 72.9,59.8 74.3,58.4
  region net GND: 67.1,46.6 67.5,46.2 67.5,42.3 63.7,42.3 63.7,46.6
  region net GND: 67.7,39.6 66,39.6 66,38.4 67.7,38.4
  region net GND: 65,35.9 65,31.1 67.8,31.1 67.8,35.9
  region net 5V: 82.1,36.9 81.7,37.3 79.3,37.3 78.9,36.9 78.9,32.8 82.1,32.8
  region net GND: 83.3,32.9 85,32.9 85,34.1 83.3,34.1
  region net NetC8_1: 68.2,45.5 68.2,40.8 68.9,40.1 68.9,38.4 71.5,35.8 71.5,32.4 77.8,32.4 78.1,32.7 78.1,36.3 70.2,44.2 70.2,45.5
  region net GND: 10.1,33.7 7.9,33.7 7.9,36.3 10.1,36.3
  region net CGND: 7.9,31.3 7.9,11.6 10.1,11.6 10.1,31.3
  text ".Layer_Name" at 9.398,185 h1.52
Bottom Layer:
  region net VBUS: 78.9,123.1 78.5,123.5 78.5,124.5 78.9,124.9 79.9,124.9 80.3,124.5 80.3,123.5 79.9,123.1
  region net 5V: 3.5,110.7 3.1,111.1 3.1,112.1 3.5,112.5 4.5,112.5 4.9,112.1 4.9,111.1 4.5,110.7
  region net 5V: 80.7,34.5 80.3,34.9 80.3,36.9 80.7,37.3 81.7,37.3 82.1,36.9 82.1,34.9 81.7,34.5
  text ".Layer_Name" at 9.398,185 h1.52
Internal Plane 1 (plane layer: these items are gaps in the copper):
  pour cut-out: 0,11 17.5,11 17.5,28 0,28
  pour cut-out: 63.7,34.5 58.2,34.5 58.2,54.5 63.7,54.5
  text ".Layer_Name" at 9.398,185 h1.52
Internal Plane 2 (plane layer: these items are gaps in the copper):
  pour cut-out: 0,11 17.5,11 17.5,28 0,28
  pour cut-out: 33.1,7.7 35.9,7.7 35.9,11.3 33.1,11.3
  pour cut-out: 63.7,34.5 58.2,34.5 58.2,54.5 63.7,54.5
  lines w0.5: 0,103.25 7.5,103.25 16.25,112 58.25,112 58.25,0 ; 17,12.5 17.75,13.25 33.25,13.25 ; 17,27.5 36,27.5 46,27.5 51.5,22 51.5,14.5 48.5,11.5 48.5,7.75 46.75,6 33.25,6 33.25,13.25 ; 41,27.5 41,25 45,21 45,12.25 44.25,11.5 43.25,11.5 41.5,13.25 33.25,13.25
  text ".Layer_Name" at 9.398,185 h1.52

## Silkscreen, mask and mechanical layers (free items; w line width, h text height)
Top Overlay:
  text ".Layer_Name" at 9.398,185.032 h1.52
  text "TX" at 2.1,63.629 h1.2 r90
  text "RX" at 4.6,63.566 h1.2 r90
  text "GND" at 7.1,62.469 h1.2 r90
  text "W5100S-PICO-Mining_V001" at 143.393,37.213 h2.5 r90
  text "PICO RESET" at 75.264,15.9 h1.2
  text "Gateway RESET" at 73.693,3.6 h1.2
Bottom Overlay:
  text ".Layer_Name" at 9.398,185 h1.52
Top Paste:
  text ".Layer_Name" at 9.398,185 h1.52
Bottom Paste:
  text ".Layer_Name" at 9.398,185 h1.52
Top Solder:
  text ".Layer_Name" at 9.398,185 h1.52
Bottom Solder:
  text ".Layer_Name" at 9.398,185 h1.52
Drill Guide:
  text ".Layer_Name" at 9.398,185 h1.52
Mechanical 2:
  lines w0.127: 156.346,16.129 182.508,16.129 ; 156.346,18.923 182.508,18.923 ; 155,4.775 ccw(c155.711,4.775) 155.711,4.064 182.889,4.064 ccw(c182.889,4.775) 183.6,4.775 183.6,24.003 ccw(c182.889,24.003) 182.889,24.714 155.711,24.714 ccw(c155.711,24.003) 155,24.003 155,4.775
  lines w0.2: 0,0 150,0 150,180 0,180 0,0
  text "BOARD NAME : W5100S-PICO-Mining" at 0,196.176 h1.52
  text "VERSION : V100" at 0,193.382 h1.52
  text "SIZE : 150mmX180mmX1.6T" at 0,190.588 h1.52
  text "GERBER DATE : 2022. 08. 17." at 0,187.794 h1.52
  text "LAYER :" at 0,185 h1.52
  text "Layer Stack Up Detail for:" at 156.473,22.606 h1.02
  text "W5100S-PICO-Mining.PcbDoc" at 156.346,20.193 h1.1
  text "Layer Name : 4L  1.6T" at 156.473,17.018 h1.02
  text "Top Layer" at 156.346,13.335 h1.52
  text "Internal Plane 1 (GND)" at 156.346,10.541 h1.52
  text "Internal Plane 2 (POWER)" at 156.346,7.874 h1.52
  text "Bottom Layer" at 156.346,5.334 h1.52
  text "KS Technology artwork" at 155,0 h5.08
Drill Drawing:
  text ".Layer_Name" at 9.398,185 h1.52
  text ".Legend" at 157.032,27.432 h1.02

## Dimensions
-1,0 to -1,180 on Mechanical 2
150,-1 to 0,-1 on Mechanical 2

## Text inside footprints (layer, text, board x,y; h text height)
P2: Top Overlay "P12" at 1.8,23.3 h0.76 r90; Top Overlay "P11" at 3.8,23.3 h0.76 r90; Top Overlay "P14" at 1.9,13.8 h0.76 r90; Top Overlay "P1" at 11.9,12 h0.76; Top Overlay "P9" at 11.8,24.9 h0.76; Top Overlay "P10" at 14,26.2 h0.76; Top Overlay "P13" at 3.9,13.8 h0.76 r90
U4: Top Overlay "IC" at 74.681,46.77 h0.76 r90; Top Overlay "ADJ" at 72.141,46.77 h0.76 r90; Top Overlay "++VDC" at 69.601,46.77 h0.76 r90; Top Overlay "-VDC" at 67.061,46.77 h0.76 r90; Top Overlay "NC" at 36.581,46.77 h0.76 r90; Top Overlay "IC" at 34.041,46.77 h0.76 r90; Top Overlay "VIN-" at 31.501,46.77 h0.76 r90; Top Overlay "VIN+" at 28.961,46.77 h0.76 r90; Top Overlay "VIN-" at 26.421,46.77 h0.76 r90; Top Overlay "VIN+" at 23.881,46.77 h0.76 r90